# Altium PCB PCB2.PcbDoc
Units mm, origin at the board's own origin, x right, y up, seen from the top; angles counter-clockwise.
Board outline 72 x 72 mm, 2 copper layers (Top Layer, Bottom Layer), stack 0.325 mm thick; 124 components, 128 nets, 591 pads, 0 vias.
Unrouted connection lines stored in the file: 344.
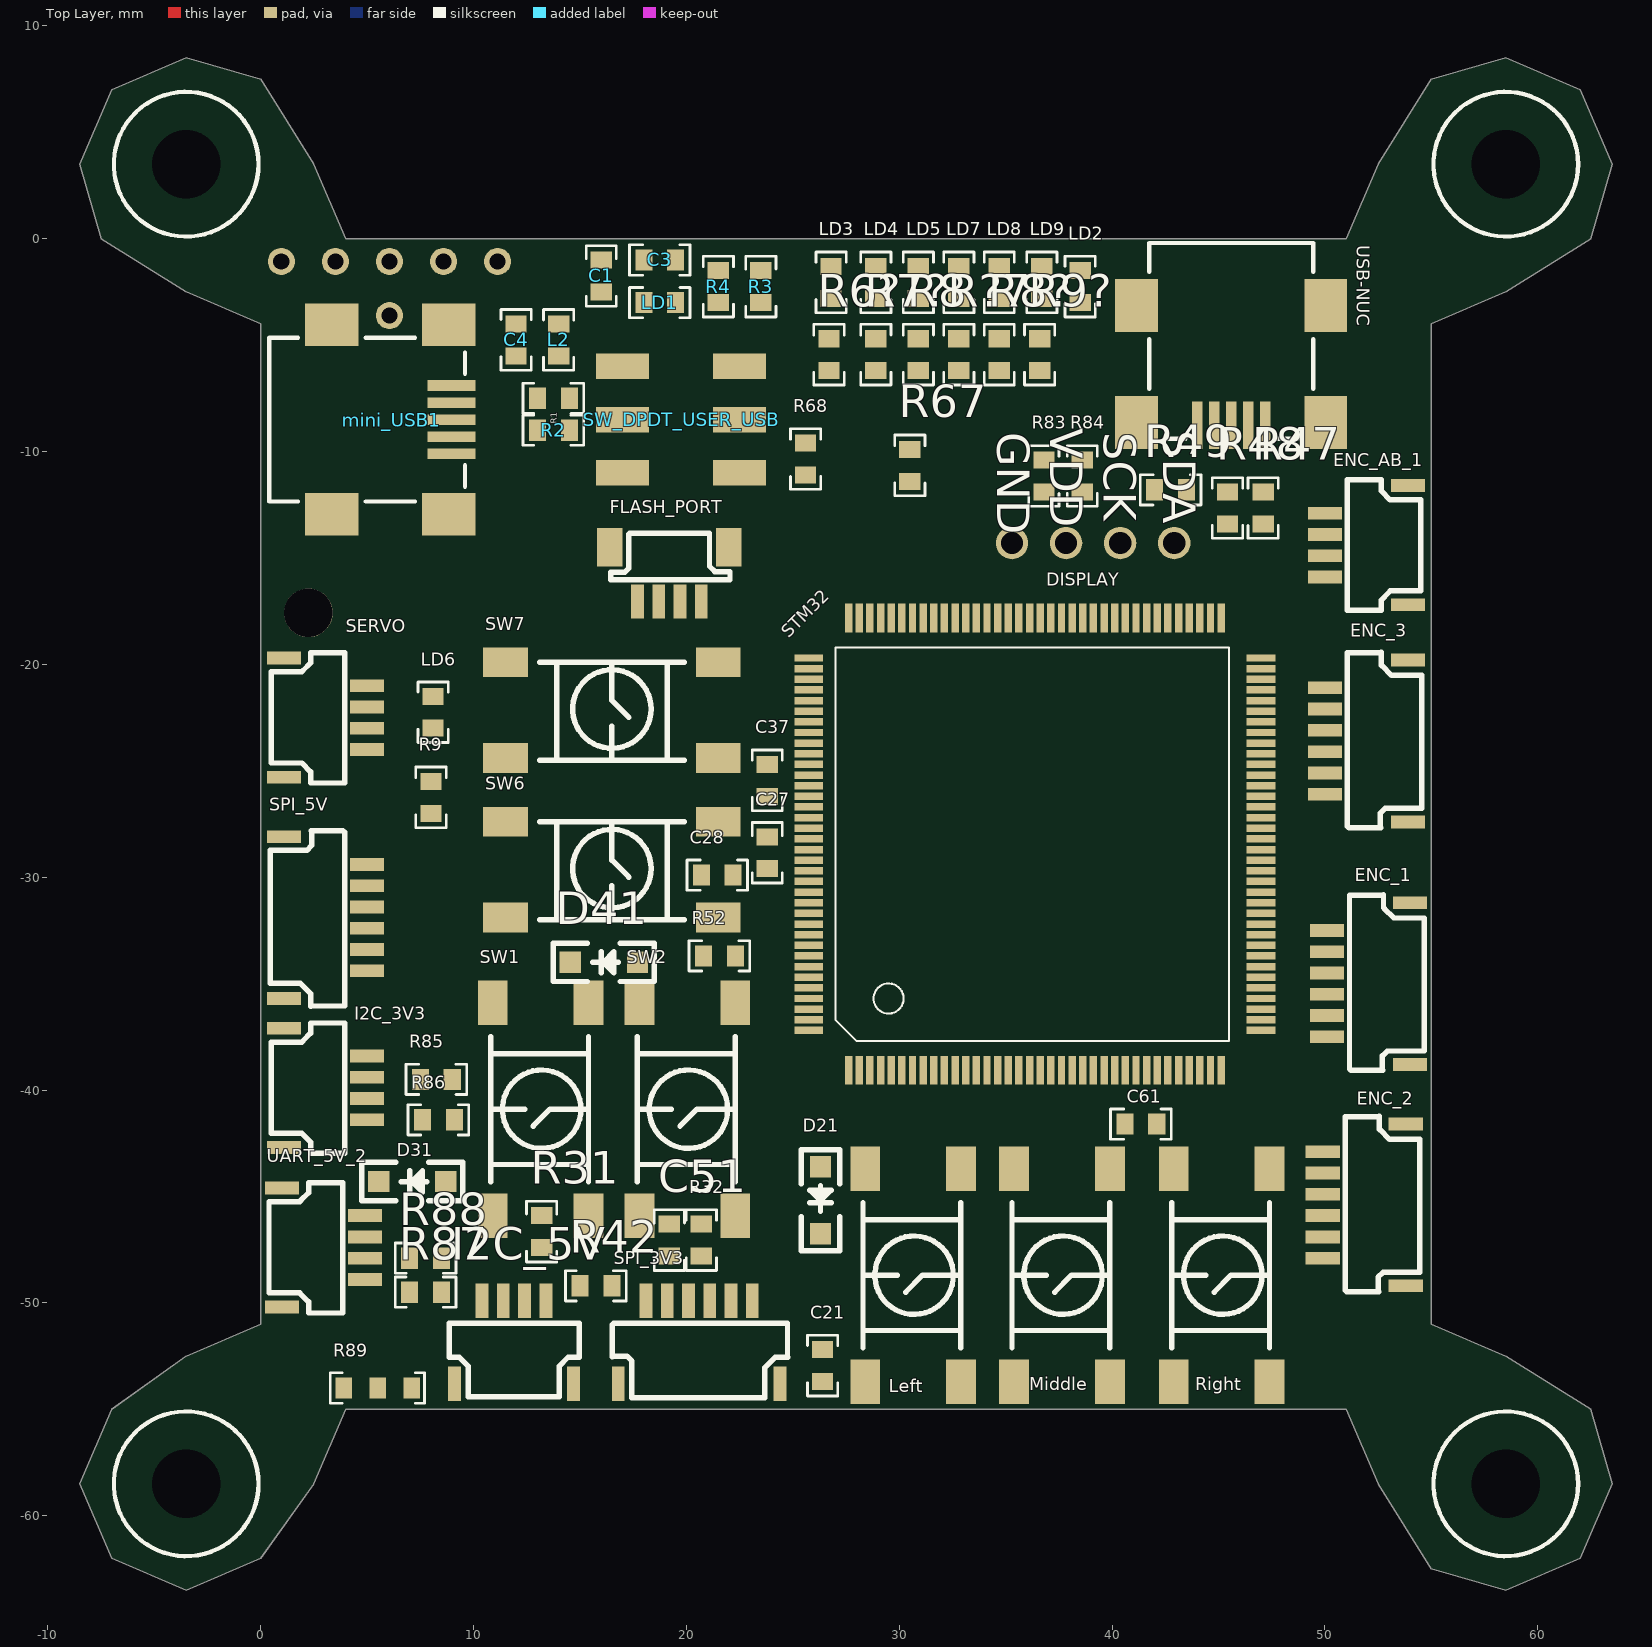
[diagram p0: Top Layer view]
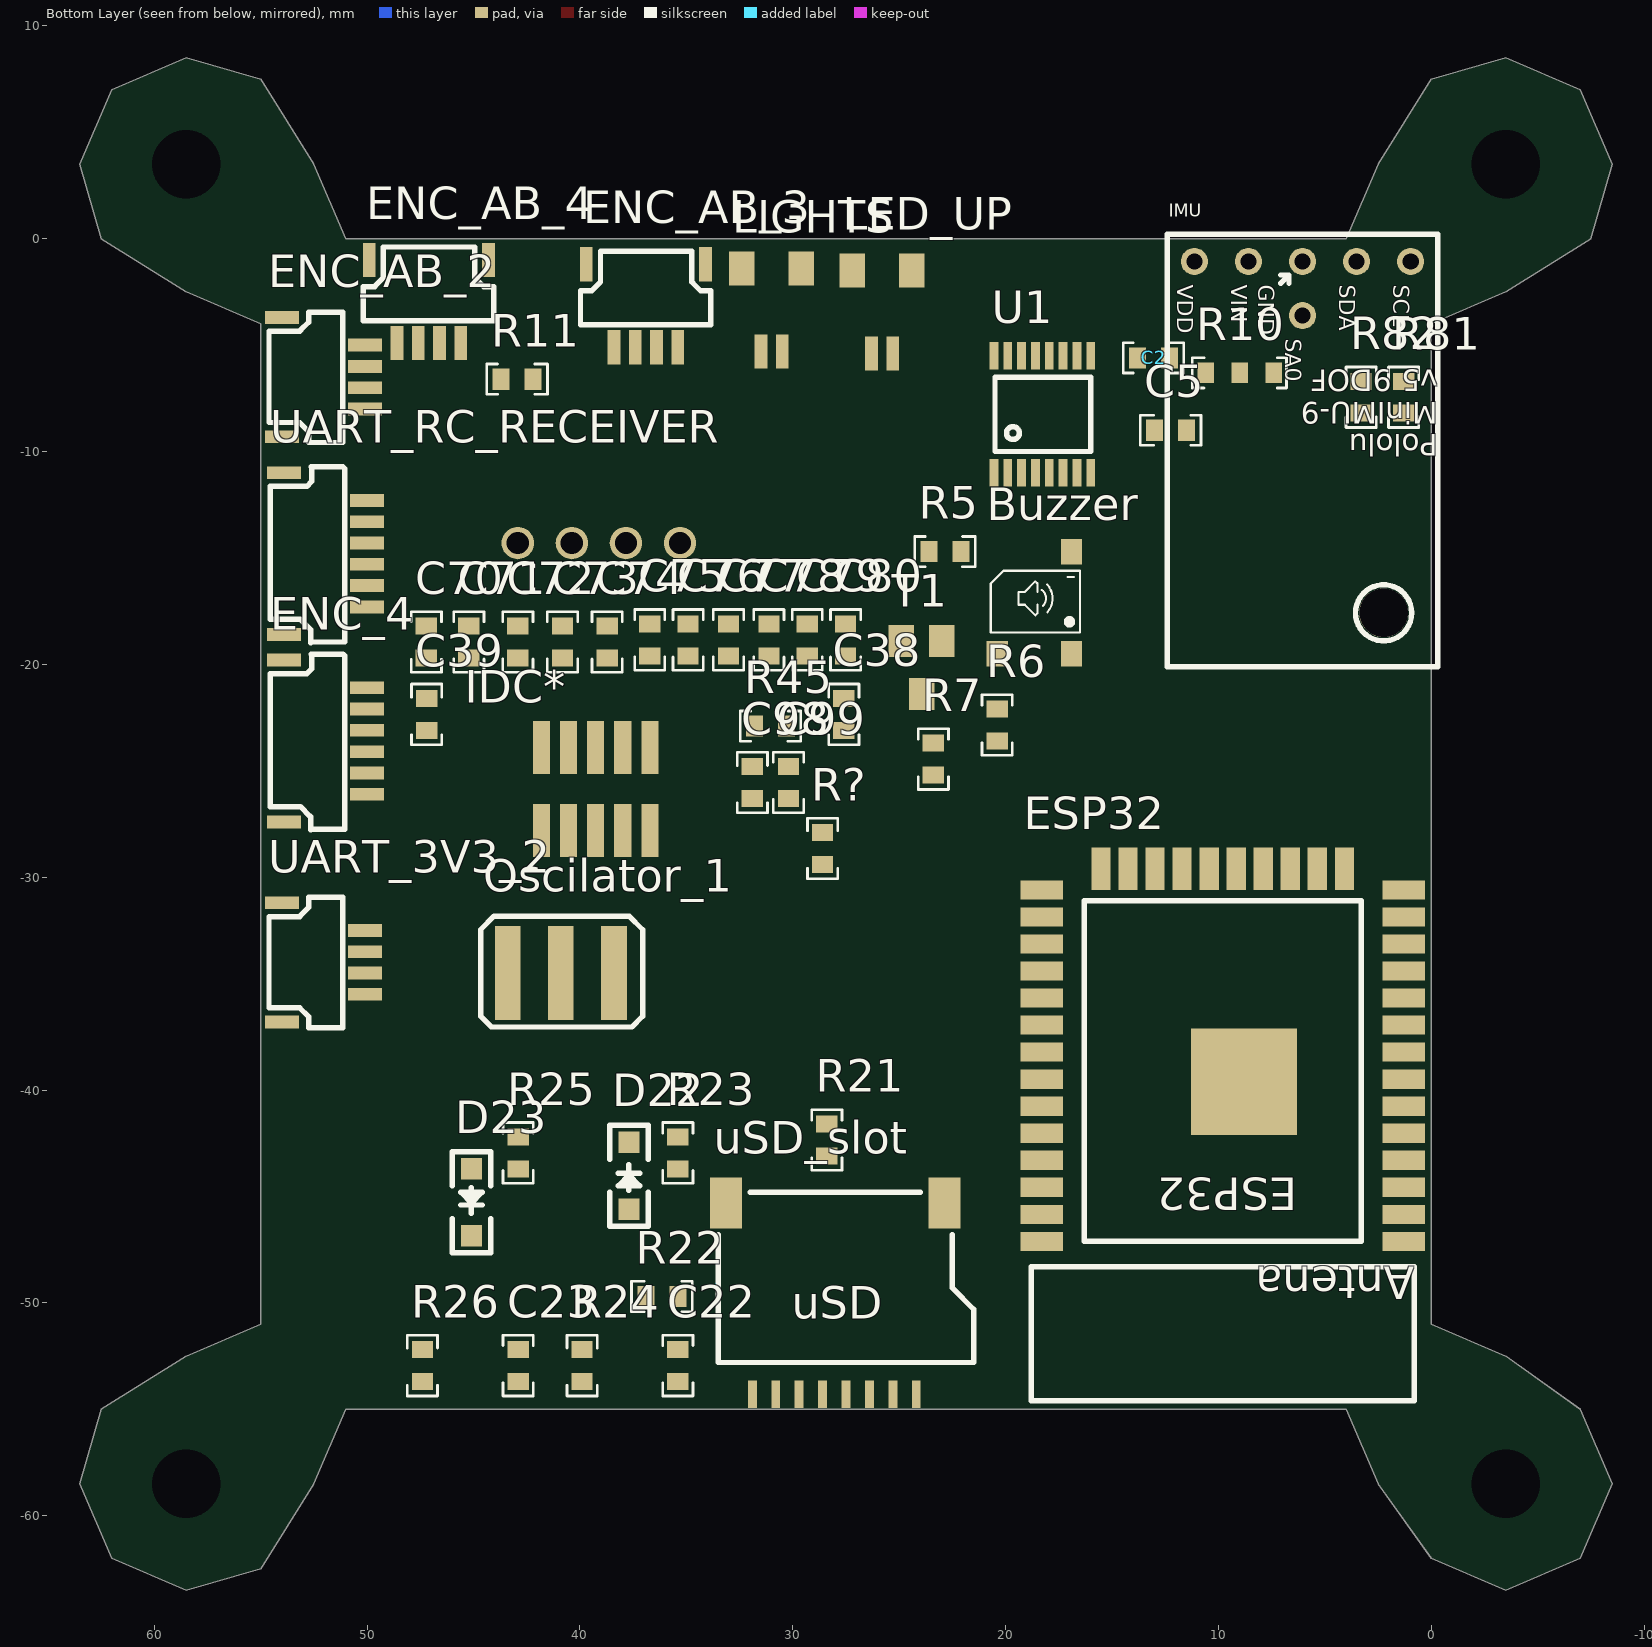
[diagram p1: Bottom Layer view, seen from below]

## Layer stack, top to bottom
Top Solder: solder mask 0.0102, Solder Resist, Dk 3.5
Top Layer: signal copper 0.0356
Dielectric 1: core 0.254, FR-4, Dk 4.2
Bottom Layer: signal copper 0.0356
Bottom Solder: solder mask 0.0102, Solder Resist, Dk 3.5

## Board outline
-7,-62 -3.5,-63.5 0,-62 2.5,-58.5 4,-55 51,-55 52.5,-58.5 55,-62.5 58.5,-63.5 62,-62 63.5,-58.5 62.5,-55 58.5,-52.5 55,-51 55,-4 58.5,-2.5 62.5,0 63.5,3.5 62,7 58.5,8.5 55,7.5 52.5,3.5 51,0 4,0 2.5,3.5 0,7.5 -3.5,8.5 -7,7 -8.5,3.5 -7.5,0 -3.5,-2.5 0,-4 0,-51 -3.5,-52.5 -7,-55 -8.5,-58.5

## Design rules (kind name [scope] priority, off if disabled: settings)
Clearance [All] p1: gap=0.152
PolygonConnect [All] p1: connectstyle=Relief reliefconductorwidth=0.254 reliefentries=4 polygonreliefangle="90 Angle" airgapwidth=0.254
RoutingVias [All] p1: holewidth=0.3 width=0.4 viastyle="Through Hole" minholewidth=0.3 minwidth=0.4 maxholewidth=0.5 maxwidth=0.6
SolderMaskExpansion [All] p1: expansion=0.102
Width [All] p1: maxlimit=0.254 minlimit=0.152 preferedwidth=0.152 minimp=50.000000 maximp=50.000000 favimp=50.000000
30 further rules are at their usual default settings.

## Components (designator, comment, footprint, x,y, rotation, side; value= is the part's Value field where it differs from the comment)
Buzzer "magnectic_buzzer" SMT-0540-S-R 16.9,-19.5 r180 bottom
C1 "0u1" 0603 16,-1 r270 top
C2 "10u" 0603 12.3,-5.6 r0 bottom
C3 "0u1" 0603 18,-1 r0 top
C4 "47p" 0603 12,-5.5 r90 top
C5 "47p" 0603 13,-9 r180 bottom
C21 "100n" 0603 26.4,-53.7 r90 top
C22 "100n" 0603 35.4,-53.7 r90 bottom
C23 "100n" 0603 42.9,-53.7 r90 bottom
C27 "0.1uF" 0603 23.8,-28.1 r270 top
C28 "0.1uF" 0603 20.7,-29.9 r0 top
C37 "0.1uF" 0603 23.8,-26.2 r90 top
C38 "22uF" 0603 27.6,-21.6 r270 bottom
C39 "0.1uF" 0603 47.2,-21.6 r270 bottom
C51 "100n" 0603 19.2,-46.3 r270 top
C61 "100n" 0603 40.6,-41.6 r0 top
C70 "4u7" 0603 47.221,-19.7 r90 bottom
C71 "100n" 0603 45.221,-19.7 r90 bottom
C72 "100n" 0603 42.921,-19.7 r90 bottom
C73 "100n" 0603 40.821,-19.7 r90 bottom
C74 "100n" 0603 38.721,-19.7 r90 bottom
C75 "100n" 0603 36.721,-19.6 r90 bottom
C76 "100n" 0603 34.921,-19.6 r90 bottom
C77 "100n" 0603 33.021,-19.6 r90 bottom
C78 "100n" 0603 31.121,-19.6 r90 bottom
C79 "100n" 0603 29.321,-19.6 r90 bottom
C80 "100n" 0603 27.521,-19.6 r90 bottom
C98 "C2u2-ESRmax2" 0603 31.9,-24.8 r270 bottom
C99 "C2u2-ESRmax2" 0603 30.2,-26.3 r90 bottom
D21 "diode" SOD123 26.3,-43.6 r270 top
D22 "diode" SOD123 37.7,-45.6 r90 bottom
D23 "diode" SOD123 45.1,-43.7 r270 bottom
D31 "diode" SOD123 8.7,-44.3 r180 top
D41 "diode" SOD123 17.7,-34 r180 top
DISPLAY "SSD1306" SSD1306 35.3,-14.3 r0 top
ENC_1 "SPI_1" "JST SR SH 1.0 - 6PIN" 54,-38.8 r90 top
ENC_2 "SPI_2" "JST SR SH 1.0 - 6PIN" 53.8,-49.2 r90 top
ENC_3 "SPI_3" "JST SR SH 1.0 - 6PIN" 53.9,-27.4 r90 top
ENC_4 "SPI_4" "JST SR SH 1.0 - 6PIN" 53.9,-19.8 r270 bottom
ENC_AB_1 "4 PIN CONNECTOR" "JST SR SH 1.0 - 4PIN" 53.9,-17.2 r90 top
ENC_AB_2 "4 PIN CONNECTOR" "JST SR SH 1.0 - 4PIN" 54,-3.7 r270 bottom
ENC_AB_3 "4 PIN CONNECTOR" "JST SR SH 1.0 - 4PIN" 34.1,-1.2 r0 bottom
ENC_AB_4 "4 PIN CONNECTOR" "JST SR SH 1.0 - 4PIN" 44.3,-1 r0 bottom
ESP32 "ESP-WROOM-32" ESP-WROOM-32 9.8,-30.6 r0 bottom
FLASH_PORT "UART_1" "JST SR SH 1.0 TOP - 4PIN" 22,-14.5 r180 top
I2C_3V3 "I2C_1" "JST SR SH 1.0 - 4PIN" 1.1,-37.1 r270 top
I2C_5V "I2C_2" "JST SR SH 1.0 - 4PIN" 9.1,-53.8 r0 top
IDC* "IDC" IDC_10_1.27 41.8,-27.8 r180 bottom
IMU "MinIMU-9 v5 9DOF" "MinIMU-9 v5 9DOF - GOLDPINS" 12.4,0.2 r0 bottom
L2 "1u" R0603 14,-5.5 r90 top
LD1 "GREEN" 0603 18,-3 r0 top
LD2 "GREEN" 0603 38.5,-3 r90 top
LD3 "BLUE_BT" 0603 26.8,-2.8 r90 top
LD4 "BLUE_WIFI" 0603 28.9,-2.8 r90 top
LD5 "BLUE_STM" 0603 30.9,-2.8 r90 top
LD6 "RED_FAULT" 0603 8.1,-23 r90 top
LD7 "BLUE_WIFI" 0603 32.8,-2.8 r90 top
LD8 "BLUE_STM" 0603 34.7,-2.8 r90 top
LD9 "RED_FAULT" 0603 36.7,-2.8 r90 top
LED_UP "2 PIN CONNECTOR" "JST SR SH 1.0 - 2pin" 24.4,-1.5 r0 bottom
Left "LEFT" "LSH Gullwing" 32.9,-43.7 r90 top (schematic designator SW3)
LIGHTS "2 PIN CONNECTOR" "JST SR SH 1.0 - 2pin" 29.6,-1.4 r0 bottom
Middle "MIDDLE" "LSH Gullwing" 39.9,-43.7 r90 top (schematic designator SW4)
mini_USB1 "651305142821" 651305142821 5,-8.5 r270 top
Oscilator_1 "CSTCC8M00G53-R0" CSTCC8M00G53-R0 43.4,-34.5 r180 bottom
R1 "27" R0603 14.5,-7.5 r180 top
R2 "27" R0603 14.5,-9 r180 top
R3 "3k3" R0603 23.5,-1.5 r270 top
R4 "220" R0603 21.5,-3 r90 top
R5 "27" R0603 22.1,-14.7 r0 bottom
R6 "1k" R0603 20.4,-23.6 r90 bottom
R6? "220" R0603 26.7,-6.2 r90 top
R7 "10k" R0603 23.4,-25.2 r90 bottom
R7? "220" R0603 28.9,-6.2 r90 top
R8 "220" R0603 30.9,-6.2 r90 top
R8? "220" R0603 34.7,-6.2 r90 top
R9 "220" R0603 8,-27 r90 top
R9? "220" R0603 36.6,-6.2 r90 top
R10 "10k" "R0603 - double" 9,-6.3 r180 bottom
R11 "220" R0603 42.2,-6.6 r0 bottom
R21 "10k" R0603 28.4,-43.1 r90 bottom
R22 "330" R0603 36.9,-49.7 r180 bottom
R23 "10k" R0603 35.4,-43.7 r90 bottom
R24 "330" R0603 39.9,-52.2 r270 bottom
R25 "10k" R0603 42.9,-43.7 r90 bottom
R26 "330" R0603 47.4,-52.2 r270 bottom
R31 "10k" R0603 13.2,-45.9 r270 top
R32 "10k" R0603 20.7,-47.8 r90 top
R42 "330" R0603 16.5,-49.2 r180 top
R45 "0" R0603 30.3,-22.9 r0 bottom
R47 "22" R0603 47.1,-13.4 r90 top
R48 "22" R0603 45.425,-13.4 r90 top
R49 "1.5k" R0603 42,-11.8 r0 top
R52 "330" R0603 20.8,-33.7 r0 top
R67 "1K" R0603 30.5,-11.4 r90 top
R68 "270" R0603 25.6,-11.1 r90 top
R81 "2k7" R0603 1.3,-6.7 r270 bottom
R82 "2k7" R0603 3.3,-6.7 r270 bottom
R83 "2k7" R0603 36.8,-11.9 r90 top
R84 "2k7" R0603 38.6,-11.9 r90 top
R85 "2k7" R0603 7.5,-39.5 r0 top
R86 "2k7" R0603 7.6,-41.4 r0 top
R87 "2k7" R0603 8.5,-49.5 r180 top
R88 "2k7" R0603 8.5,-47.9 r180 top
R89 "0" "R0603 - double" 5.5,-54 r0 top
R? "10k" R0603 28.6,-27.9 r270 bottom
R?7 "220" R0603 32.8,-6.2 r90 top
Right "RIGHT" "LSH Gullwing" 47.4,-43.7 r90 top (schematic designator SW5)
SERVO "TIMERS" "JST SR SH 1.0 - 4PIN" 1.1,-19.7 r270 top
SPI_3V3 "SPI_5" "JST SR SH 1.0 - 6PIN" 16.8,-53.8 r0 top
SPI_5V "SPI_6" "JST SR SH 1.0 - 6PIN" 1.1,-28.1 r270 top
STM32 "STM32F765ZIT6" LQFP144 47,-37.2 r0 top
SW1 "RESET" "LSH Gullwing" 15.4,-35.9 r90 top
SW2 "BOOT" "LSH Gullwing" 22.3,-35.9 r90 top
SW6 "RESET" "LSH Gullwing" 11.5,-27.396 r180 top
SW7 "BOOT" "LSH Gullwing" 11.5,-19.896 r180 top
SW_DPDT_USER_USB "DPDT_C&K" JS202011SCQN_C&K 22.5,-6 r270 top
T1 "NPN" SOT23 23,-18.9 r0 bottom
U1 "FT230XS" SSOP16 16,-5.5 r180 bottom
UART_3V3_2 "UART_4PIN" "JST SR SH 1.0 - 4PIN" 54,-31.2 r270 bottom
UART_5V_2 "UART_4PIN" "JST SR SH 1.0 - 4PIN" 1,-44.6 r270 top
UART_RC_RECEIVER "UART_X" "JST SR SH 1.0 - 6PIN" 53.9,-11 r270 bottom
USB-NUC "651305142821" 651305142821 45.6,-4.8 r180 top (schematic designator mini_USB2)
uSD_slot "ATTEND 112K-TAA0-RA1" "ATTEND 112K-TAA0-RA1" 33.5,-45.3 r180 bottom

## Footprints (in the part's own frame and the unit in brackets; to place one, negate y for a bottom-side part, rotate by r counter-clockwise, add the part's x,y. Pads: shape width x height; smd on the part's side, far side on the other; paste and mask are expansions set on the pad)
0603 [mm]
  rect 0.8x1 smd: 1(0,0) 2(1.5,0)
  silkscreen extent -0.67,-0.71 2.17,0.71, body extent -0.01,-0.43 1.59,0.43, height 0.83
651305142821 [mm] "Mini USB 2.0 Type AB SMT Horizontal 5 Contacts"
  rect 0.5x2.25 smd: 1(-1.6,3.965) 2(-0.8,3.965) 3(0,3.965) 4(0.8,3.965) 5(1.6,3.965)
  rect 2x2.5 smd: Shell(-4.45,3.84) Shell(-4.45,-1.66) Shell(4.45,3.84) Shell(4.45,-1.66)
  silkscreen extent -3.85,-4.6 3.85,4.6, body extent -4.95,-4.6 4.95,4.8, height 4.1
"ATTEND 112K-TAA0-RA1" [mm]
  rect 0.42x1.3 smd: 1(9.3,-9) 2(8.2,-9) 3(7.1,-9) 4(6,-9) 5(4.9,-9) 6(3.8,-9) 7(2.7,-9) 8(1.6,-9)
  rect 1.5x2.4 smd: ""(0.37,0) ""(10.63,0)
  silkscreen extent 0,-7.5 12,0.5, body extent 0,-8.96 12.1,1, height 1.49
CSTCC8M00G53-R0 [mm]
  rect 1.2x4.4 smd: 1(0,0) 2(2.5,0) 3(5,0)
  silkscreen extent -1.27,-2.54 6.35,2.67, body extent -1.06,-1.52 6.14,1.48, height 1.25
ESP-WROOM-32 [mm]
  rect 2x0.9 smd: 1(-8.5,16.51) 2(-8.5,15.24) 3(-8.5,13.97) 4(-8.5,12.7) 5(-8.5,11.43) 6(-8.5,10.16) 7(-8.5,8.89) 8(-8.5,7.62) 9(-8.5,6.35) 10(-8.5,5.08) 11(-8.5,3.81) 12(-8.5,2.54) 13(-8.5,1.27) 14(-8.5,0) 25(8.5,0) 26(8.5,1.27) 27(8.5,2.54) 28(8.5,3.81) 29(8.5,5.08) 30(8.5,6.35) 31(8.5,7.62) 32(8.5,8.89) 33(8.5,10.16) 34(8.5,11.43) 35(8.5,12.7) 36(8.5,13.97) 37(8.5,15.24) 38(8.5,16.51)
  rect 0.9x2 smd: 15(-5.715,-1) 16(-4.445,-1) 17(-3.175,-1) 18(-1.905,-1) 19(-0.635,-1) 20(0.635,-1) 21(1.905,-1) 22(3.175,-1) 23(4.445,-1) 24(5.715,-1)
  rect 5x5 smd: ""(-1,9.01)
  silkscreen extent -9,0.51 9,24, body extent -9,-1.5 9,24, height 2.91
IDC_10_1.27 [mm]
  rect 0.8x2.5 smd: 1(0,0) 2(1.27,0) 3(2.54,0) 4(3.81,0) 5(5.08,0) 6(0,3.9) 7(1.27,3.9) 8(2.54,3.9) 9(3.81,3.9) 10(5.08,3.9)
  body extent -3.85,-0.84 8.75,4.83, height 5.65
JS202011SCQN_C&K [mm]
  rect 1.2x2.5 smd: 1(0,-5.5) 2(2.5,-5.5) 3(5,-5.5) 4(0,0) 5(2.5,0) 6(5,0)
  body extent -2,-6.55 7,0.95, height 5.52
"JST SR SH 1.0 - 2pin" [mm]
  rect 1.2x1.6 smd: 0(0,0) 0(2.8,0)
  rect 0.6x1.6 smd: 1(0.9,3.9) 2(1.9,3.9)
  body extent -0.59,-0.87 3.4,4.12, height 3
"JST SR SH 1.0 - 4PIN" [mm]
  rect 0.6x1.6 smd: 1(1.3,3.9) 2(2.3,3.9) 3(3.3,3.9) 4(4.3,3.9) 7(5.6,0) 8(0,0)
  silkscreen extent -0.25,-0.61 5.88,2.85, body extent -0.22,-0.75 5.77,4.2, height 2.96
"JST SR SH 1.0 - 6PIN" [mm]
  rect 0.6x1.6 smd: 1(1.3,3.9) 2(2.3,3.9) 3(3.3,3.9) 4(4.3,3.9) 5(5.3,3.9) 6(6.3,3.9) 7(7.6,0) 8(0,0)
  silkscreen extent -0.28,-0.66 7.98,2.84, body extent -0.16,-0.66 7.84,4.29, height 2.9
"JST SR SH 1.0 TOP - 4PIN" [mm]
  rect 0.6x1.6 smd: 1(1.3,2.55) 2(2.3,2.55) 3(3.3,2.55) 4(4.3,2.55)
  rect 1.2x1.8 smd: 7(5.6,0) 8(0,0)
  silkscreen extent -0.05,-0.66 5.55,1.52, body extent -0.22,-0.88 5.77,2.72, height 4.35
LQFP144 [mm]
  rect 0.35x1.35 smd: 1(-19.375,-1.875) 2(-18.875,-1.875) 3(-18.375,-1.875) 4(-17.875,-1.875) 5(-17.375,-1.875) 6(-16.875,-1.875) 7(-16.375,-1.875) 8(-15.875,-1.875) 9(-15.375,-1.875) 10(-14.875,-1.875) 11(-14.375,-1.875) 12(-13.875,-1.875) 13(-13.375,-1.875) 14(-12.875,-1.875) 15(-12.375,-1.875) 16(-11.875,-1.875) 17(-11.375,-1.875) 18(-10.875,-1.875) 19(-10.375,-1.875) 20(-9.875,-1.875) 21(-9.375,-1.875) 22(-8.875,-1.875) 23(-8.375,-1.875) 24(-7.875,-1.875) 25(-7.375,-1.875) 26(-6.875,-1.875) 27(-6.375,-1.875) 28(-5.875,-1.875) 29(-5.375,-1.875) 30(-4.875,-1.875) 31(-4.375,-1.875) 32(-3.875,-1.875) 33(-3.375,-1.875) 34(-2.875,-1.875) 35(-2.375,-1.875) 36(-1.875,-1.875) 73(-1.875,19.375) 74(-2.375,19.375) 75(-2.875,19.375) 76(-3.375,19.375) 77(-3.875,19.375) 78(-4.375,19.375) 79(-4.875,19.375) 80(-5.375,19.375) 81(-5.875,19.375) 82(-6.375,19.375) 83(-6.875,19.375) 84(-7.375,19.375) 85(-7.875,19.375) 86(-8.375,19.375) 87(-8.875,19.375) 88(-9.375,19.375) 89(-9.875,19.375) 90(-10.375,19.375) 91(-10.875,19.375) 92(-11.375,19.375) 93(-11.875,19.375) 94(-12.375,19.375) 95(-12.875,19.375) 96(-13.375,19.375) 97(-13.875,19.375) 98(-14.375,19.375) 99(-14.875,19.375) 100(-15.375,19.375) 101(-15.875,19.375) 102(-16.375,19.375) 103(-16.875,19.375) 104(-17.375,19.375) 105(-17.875,19.375) 106(-18.375,19.375) 107(-18.875,19.375) 108(-19.375,19.375)
  rect 1.35x0.35 smd: 37(0,0) 38(0,0.5) 39(0,1) 40(0,1.5) 41(0,2) 42(0,2.5) 43(0,3) 44(0,3.5) 45(0,4) 46(0,4.5) 47(0,5) 48(0,5.5) 49(0,6) 50(0,6.5) 51(0,7) 52(0,7.5) 53(0,8) 54(0,8.5) 55(0,9) 56(0,9.5) 57(0,10) 58(0,10.5) 59(0,11) 60(0,11.5) 61(0,12) 62(0,12.5) 63(0,13) 64(0,13.5) 65(0,14) 66(0,14.5) 67(0,15) 68(0,15.5) 69(0,16) 70(0,16.5) 71(0,17) 72(0,17.5) 109(-21.25,17.5) 110(-21.25,17) 111(-21.25,16.5) 112(-21.25,16) 113(-21.25,15.5) 114(-21.25,15) 115(-21.25,14.5) 116(-21.25,14) 117(-21.25,13.5) 118(-21.25,13) 119(-21.25,12.5) 120(-21.25,12) 121(-21.25,11.5) 122(-21.25,11) 123(-21.25,10.5) 124(-21.25,10) 125(-21.25,9.5) 126(-21.25,9) 127(-21.25,8.5) 128(-21.25,8) 129(-21.25,7.5) 130(-21.25,7) 131(-21.25,6.5) 132(-21.25,6) 133(-21.25,5.5) 134(-21.25,5) 135(-21.25,4.5) 136(-21.25,4) 137(-21.25,3.5) 138(-21.25,3) 139(-21.25,2.5) 140(-21.25,2) 141(-21.25,1.5) 142(-21.25,1) 143(-21.25,0.5) 144(-21.25,0)
  silkscreen extent -20,-0.5 -1.5,18, body extent -21.62,-2.25 0.38,19.75, height 2
"LSH Gullwing" [mm]
  rect 2.1x1.4 smd: 1(-10,4.5) 2(0,4.5) 3(-10,0) 4(0,0)
  silkscreen extent -8.4,0 -1.6,4.6, body extent -10,-0.75 0,5.25, height 4.97
"MinIMU-9 v5 9DOF - GOLDPINS" [mil]
  round 50 hole 30: 1(-450,50) 2(-350,50) 3(-250,50) 4(-150,50) 5(-50,50) 6(-250,150)
  round 90 hole 90: 7(-400,700)
  silkscreen extent -500,0 0,800, body extent -500,0 0,800, height 336
R0603 [mm]
  rect 0.8x1 smd: 1(0,0) 2(1.5,0)
  silkscreen extent -0.67,-0.71 2.17,0.71, body extent -0.04,-0.43 1.56,0.43, height 0.48
"R0603 - double" [mil]
  rect 31x38 smd: 1(-63,0) 2(0,0) 3(62.99,0)
  silkscreen extent -88,-28 87,28, body extent -64,-17 67,17, height 19
SMT-0540-S-R [mm]
  rect 1x1.2 smd: 1(0,4.8) 2(0,0) ""(-3.5,0)
  silkscreen extent -3.8,1 0.4,3.9, body extent -4.25,-0.4 0.75,5.1, height 2.11
SOD123 [mm]
  rect 1x1 smd: 1(0,0) 2(3.15,0)
  silkscreen extent -0.8,-0.9 3.95,0.9, body extent -0.15,-0.8 3.55,0.8, height 1.27
SOT23 [mm]
  rect 1.2x1.5 smd: 1(0,0) 2(1.9,0) 3(0.95,2.5)
  body extent -0.48,0.02 2.52,2.52, height 1.06
SSD1306 [mil]
  round 60 hole 41.34: 1(0,0) 2(100,0) 3(200,0) 4(300,0)
  body extent -376,-1006 675,91, height 373
SSOP16 [mm]
  rect 0.42x1.3 smd: 1(-4.55,-5.5) 2(-3.9,-5.5) 3(-3.25,-5.5) 4(-2.6,-5.5) 5(-1.95,-5.5) 6(-1.3,-5.5) 7(-0.65,-5.5) 8(0,-5.5) 9(0,0) 10(-0.65,0) 11(-1.3,0) 12(-1.95,0) 13(-2.6,0) 14(-3.25,0) 15(-3.9,0) 16(-4.55,0)
  silkscreen extent -4.5,-4.5 0,-1, body extent -4.91,-6 0.39,0.46, height 1.65

## Part data
C1 C2 C3 C4 C5 C21 C22 C23 C27 C28 C37 C38 C39 C51 C61 C70 C71 C72 C73 C74 C75 C76 C77 C78 C79 C80 C98 C99: library part Cap
D21 D22 D23 D31 D41: library part Rectifier_diode
ENC_1 ENC_2 ENC_3 ENC_4 SPI_3V3 SPI_5V: library part SPI
FLASH_PORT: library part UART_4PIN
I2C_3V3 I2C_5V: library part I2C
L2: library part L
LD1 LD2 LD3 LD4 LD5 LD6 LD7 LD8 LD9: library part LED
Left Middle Right SW1 SW2 SW6 SW7: library part Tact_Switch_Simply
mini_USB1 USB-NUC: "Mini USB 2.0 Type AB Receptacle WR-COM, Horizontal, SMT, with Pads"
R1 R2 R3 R4 R5 R6 R6? R7 R7? R8 R8? R9 R9? R11 R21 R22 R23 R24 R25 R26 R31 R32 R42 R45 R47 R48 R49 R52 R67 R68 R81 R82 R83 R84 R85 R86 R87 R88 R? R?7: library part Res
R10 R89: library part Res_2_way
SERVO: library part "4 PIN CONNECTOR"
U1: library part FT230XS_ON_BOARD
UART_RC_RECEIVER: library part UART

## Free pads (board coordinates)
  round 0 hole 3.2: ""(-3.5,-58.5) ""(-3.5,3.5) ""(58.5,-58.5) ""(58.5,3.5)

## Nets (pads, with @x,y where several pads share a name; then routed paths per layer and width w, separated by ;. In a path a pad name is that pad's centre, name@x,y a point inside that pad or via, vN(x,y) a via of type N, cw(c..) or ccw(c..) an arc to the next point about the centre after c; other vN are vias at no path point)
GND: C1.1 C2.1 C3.2 C4.2 C5.2 C21.2 C22.2 C23.2 C27.2 C28.2 C37.2 C38.1 C39.1 C61.2 C70.1 C71.1 C72.1 C73.1 C74.1 C75.1 C76.1 C77.1 C78.1 C79.1 C80.1 C98.2 C99.1 DISPLAY.1 ENC_1.2 ENC_2.2 ENC_3.2 ENC_4.2 ENC_AB_1.2 ENC_AB_2.2 ENC_AB_3.2 ENC_AB_4.2 ESP32.1 ESP32.15 ESP32.38 FLASH_PORT.4 I2C_3V3.2 I2C_5V.2 IDC*.2 IDC*.4 IDC*.6 IDC*.9 IMU.3 LD3.2 LD4.2 LD5.2 LD6.2 LD7.2 LD8.2 LD9.2 LED_UP.2 LIGHTS.2 mini_USB1.4 mini_USB1.5 Oscilator_1.2 R3.2 R7.1 R10.3 R11.2 R22.1 R24.1 R26.1 R32.1 R42.1 SPI_3V3.2 SPI_5V.2 STM32.16 STM32.31 STM32.38 STM32.51 STM32.61 STM32.83 STM32.94 STM32.107 STM32.120 STM32.130 SW6.1 SW6.2 SW7.1 SW7.2 T1.3 U1.5 U1.13 UART_3V3_2.4 UART_5V_2.4 UART_RC_RECEIVER.5 UART_RC_RECEIVER.6 USB-NUC.5 USB-NUC.Shell uSD_slot.6
NetBuzzer_1: Buzzer.1 R5.1
NetC1_2: C1.2 L2.1 mini_USB1.1
NetC2_2: C2.2 L2.2 U1.12
NetC3_1: C3.1 LD1.1 U1.3 U1.10 U1.11
NetC4_1: C4.1 mini_USB1.2 R1.2
NetC5_1: C5.1 mini_USB1.3 R2.2
NetC21_1: C21.1 D21.1 Left.1 Left.2 R21.1
NetC22_1: C22.1 D22.1 Middle.1 Middle.2 R23.1
NetC23_1: C23.1 D23.1 R25.1 Right.1 Right.2
NetC27_1: C27.1 C37.1 ESP32.3 R?.1 SW6.3 SW6.4
NetC28_1: C28.1 ESP32.25 SW7.3 SW7.4
NetC51_1: C51.1 D41.1 ESP32.33 R32.2 STM32.138 SW2.1 SW2.2
NetC61_1: C61.1 D31.1 ESP32.36 R31.1 STM32.25 SW1.1 SW1.2
NetC98_1: C98.1 R45.2 STM32.71
NetC99_2: C99.2 R45.1 STM32.106
NetDISPLAY_3: DISPLAY.3 R83.1 STM32.54
NetDISPLAY_4: DISPLAY.4 R84.1 STM32.55
NetENC_1_3: ENC_1.3 STM32.43
NetENC_1_4: ENC_1.4 STM32.124
NetENC_1_5: ENC_1.5 STM32.41
NetENC_1_6: ENC_1.6 STM32.44
NetENC_2_3: ENC_2.3 STM32.27
NetENC_2_4: ENC_2.4 STM32.28
NetENC_2_5: ENC_2.5 STM32.69
NetENC_2_6: ENC_2.6 STM32.29
NetENC_3_3: ENC_3.3 STM32.48
NetENC_3_4: ENC_3.4 STM32.112
NetENC_3_5: ENC_3.5 STM32.111
NetENC_3_6: ENC_3.6 STM32.47
NetENC_4_3: ENC_4.3 STM32.67
NetENC_4_4: ENC_4.4 STM32.66
NetENC_4_5: ENC_4.5 STM32.1
NetENC_4_6: ENC_4.6 STM32.68
NetENC_AB_1_3: ENC_AB_1.3 STM32.60
NetENC_AB_1_4: ENC_AB_1.4 STM32.64
NetENC_AB_2_3: ENC_AB_2.3 STM32.110
NetENC_AB_2_4: ENC_AB_2.4 STM32.35
NetENC_AB_3_3: ENC_AB_3.3 STM32.96
NetENC_AB_3_4: ENC_AB_3.4 STM32.135
NetENC_AB_4_3: ENC_AB_4.3 STM32.81
NetENC_AB_4_4: ENC_AB_4.4 STM32.82
NetESP32_6: ESP32.6 R6?.1
NetESP32_7: ESP32.7 R7?.1
NetESP32_8: ESP32.8 R8.1
NetESP32_9: ESP32.9 R9.1
NetESP32_24: ESP32.24
NetESP32_26: ESP32.26
NetESP32_27: ESP32.27 STM32.115
NetESP32_28: ESP32.28 STM32.114
NetESP32_29: ESP32.29 STM32.127 uSD_slot.2
NetESP32_30: ESP32.30 STM32.122 uSD_slot.5
NetESP32_31: ESP32.31 STM32.75 uSD_slot.7
NetESP32_34: ESP32.34 SW_DPDT_USER_USB.6
NetESP32_35: ESP32.35 SW_DPDT_USER_USB.3
NetESP32_37: ESP32.37 STM32.123 uSD_slot.3
NetFLASH_PORT_2: FLASH_PORT.2 SW_DPDT_USER_USB.5 U1.1
NetFLASH_PORT_3: FLASH_PORT.3 SW_DPDT_USER_USB.2 U1.4
NetI2C_3V3_3: I2C_3V3.3 R85.1 STM32.136
NetI2C_3V3_4: I2C_3V3.4 R86.1 STM32.137
NetI2C_5V_3: I2C_5V.3 R88.1 STM32.11
NetI2C_5V_4: I2C_5V.4 R87.1 STM32.10
NetIDC*_1: IDC*.1 STM32.36
NetIDC*_3: IDC*.3 STM32.37
NetIDC*_8: IDC*.8
NetIDC*_10: IDC*.10
NetIMU_1: IMU.1 R81.1 STM32.100
NetIMU_2: IMU.2 R82.1 STM32.99
NetIMU_5: IMU.5 R10.1
NetIMU_6: IMU.6 R10.2
NetLD1_2: LD1.2 R4.1
NetLD2_2: LD2.2 R11.1
NetLD3_1: LD3.1 R6?.2
NetLD4_1: LD4.1 R7?.2
NetLD5_1: LD5.1 R8.2
NetLD6_1: LD6.1 R9.2
NetLD7_1: LD7.1 R?7.2
NetLD8_1: LD8.1 R8?.2
NetLD9_1: LD9.1 R9?.2
NetLED_UP_1: LED_UP.1 R68.2
NetLIGHTS_1: LIGHTS.1 R67.2
Netmini_USB2_2: R47.2 USB-NUC.2
Netmini_USB2_3: R48.2 USB-NUC.3
NetOscilator_1_1: Oscilator_1.1 STM32.24
NetOscilator_1_3: Oscilator_1.3 STM32.23
NetR1_1: R1.1 U1.9
NetR2_1: R2.1 U1.8
NetR3_1: R3.1 R4.2 U1.15
NetR5_2: R5.2 T1.2
NetR6_1: R6.1 STM32.76
NetR6_2: R6.2 R7.2 T1.1
NetR8?_1: R8?.1 STM32.92
NetR9?_1: R9?.1 STM32.91
NetR22_2: Left.3 Left.4 R22.2
NetR24_2: Middle.3 Middle.4 R24.2
NetR26_2: R26.2 Right.3 Right.4
NetR42_2: R42.2 SW1.3 SW1.4
NetR47_1: R47.1 STM32.103
NetR48_1: R48.1 R49.2 STM32.104
NetR52_2: R52.2 SW2.3 SW2.4
NetR67_1: R67.1 STM32.34
NetR68_1: R68.1 STM32.18
NetR87_2: R87.2 R88.2 R89.2
NetR?7_1: R?7.1 STM32.93
NetSERVO_1: SERVO.1 STM32.97
NetSERVO_2: SERVO.2 STM32.98
NetSERVO_3: SERVO.3 STM32.4
NetSERVO_4: SERVO.4 STM32.5
NetSPI_3V3_3: SPI_3V3.3 STM32.21
NetSPI_3V3_4: SPI_3V3.4 STM32.20
NetSPI_3V3_5: SPI_3V3.5 STM32.19
NetSPI_3V3_6: SPI_3V3.6 STM32.22
NetSPI_5V_3: SPI_5V.3 STM32.129
NetSPI_5V_4: SPI_5V.4 STM32.42
NetSPI_5V_5: SPI_5V.5 STM32.128
NetSPI_5V_6: SPI_5V.6 STM32.132
NetSTM32_58: STM32.58 UART_3V3_2.3
NetSTM32_59: STM32.59 UART_3V3_2.2
NetSTM32_70: STM32.70 UART_RC_RECEIVER.4
NetSTM32_77: STM32.77 UART_RC_RECEIVER.3
NetSTM32_101: STM32.101 SW_DPDT_USER_USB.4
NetSTM32_102: STM32.102 SW_DPDT_USER_USB.1
NetSTM32_125: STM32.125 uSD_slot.8
NetSTM32_126: STM32.126 uSD_slot.1
NetSTM32_141: STM32.141 UART_5V_2.3
NetSTM32_142: STM32.142 UART_5V_2.2
VCC_3V3: Buzzer.2 C38.2 C39.2 C51.2 C70.2 C71.2 C72.2 C73.2 C74.2 C75.2 C76.2 C77.2 C78.2 C79.2 C80.2 D21.2 D22.2 D23.2 D31.2 D41.2 ENC_1.1 ENC_2.1 ENC_3.1 ENC_4.1 ESP32.2 I2C_3V3.1 IDC*.5 LD2.1 R21.2 R23.2 R25.2 R31.2 R49.1 R52.1 R81.2 R82.2 R83.2 R84.2 R85.2 R86.2 R89.1 R?.2 SPI_3V3.1 STM32.17 STM32.30 STM32.33 STM32.39 STM32.52 STM32.62 STM32.72 STM32.84 STM32.95 STM32.108 STM32.121 STM32.131 STM32.144 UART_3V3_2.1 UART_RC_RECEIVER.2 uSD_slot.4
VCC_5V: DISPLAY.2 ENC_AB_1.1 ENC_AB_2.1 ENC_AB_3.1 ENC_AB_4.1 FLASH_PORT.1 I2C_5V.1 IDC*.7 IMU.4 R89.3 SPI_5V.1 UART_5V_2.1 UART_RC_RECEIVER.1
pads on no net: Buzzer. ENC_1.7 ENC_1.8 ENC_2.7 ENC_2.8 ENC_3.7 ENC_3.8 ENC_4.7 ENC_4.8 ENC_AB_1.7 ENC_AB_1.8 ENC_AB_2.7 ENC_AB_2.8 ENC_AB_3.7 ENC_AB_3.8 ENC_AB_4.7 ENC_AB_4.8 ESP32. ESP32.4 ESP32.5 ESP32.10 ESP32.11 ESP32.12 ESP32.13 ESP32.14 ESP32.16 ESP32.17 ESP32.18 ESP32.19 ESP32.20 ESP32.21 ESP32.22 ESP32.23 ESP32.32 FLASH_PORT.7 FLASH_PORT.8 I2C_3V3.7 I2C_3V3.8 I2C_5V.7 I2C_5V.8 IMU.7 LED_UP.0 LIGHTS.0 mini_USB1.Shell SERVO.7 SERVO.8 SPI_3V3.7 SPI_3V3.8 SPI_5V.7 SPI_5V.8 STM32.2 STM32.3 STM32.6 STM32.7 STM32.8 STM32.9 STM32.12 STM32.13 STM32.14 STM32.15 STM32.26 STM32.32 STM32.40 STM32.45 STM32.46 STM32.49 STM32.50 STM32.53 STM32.56 STM32.57 STM32.63 STM32.65 STM32.73 STM32.74 STM32.78 STM32.79 STM32.80 STM32.85 STM32.86 STM32.87 STM32.88 STM32.89 STM32.90 STM32.105 STM32.109 STM32.113 STM32.116 STM32.117 STM32.118 STM32.119 STM32.133 STM32.134 STM32.139 STM32.140 STM32.143 U1.2 U1.6 U1.7 U1.14 U1.16 UART_3V3_2.7 UART_3V3_2.8 UART_5V_2.7 UART_5V_2.8 UART_RC_RECEIVER.7 UART_RC_RECEIVER.8 USB-NUC.1 USB-NUC.4 uSD_slot.

## Silkscreen, mask and mechanical layers (free items; w line width, h text height)
Top Overlay:
  circle w0.2: c-3.5,3.5 r3.4
  circle w0.2: c58.5,3.5 r3.4
  circle w0.2: c58.5,-58.5 r3.4
  circle w0.2: c-3.5,-58.5 r3.4

## Text inside footprints (layer, text, board x,y; h text height)
DISPLAY: Top Overlay "GND" at 34.6,-9.1 h1.52 r270; Top Overlay "VDD" at 37.1,-8.9 h1.52 r270; Top Overlay "SCK" at 39.6,-9.1 h1.52 r270; Top Overlay "SDA" at 42.4,-9 h1.52 r270
ESP32: Bottom Overlay "Antena" at 0.8,-48.3 h1.52 r180
IMU: Bottom Overlay "Pololu  / MinIMU-9  / v5 9DOF" at -0.3,-6.15 h1.02 r180; Bottom Overlay "SCL" at 1.783,-2.162 h0.76 r90; Bottom Overlay "SDA" at 4.323,-2.162 h0.76 r90; Bottom Overlay "GND" at 8.133,-2.162 h0.76 r90; Bottom Overlay "VIN" at 9.403,-2.162 h0.76 r90; Bottom Overlay "VDD" at 11.943,-2.162 h0.76 r90; Bottom Overlay "SA0" at 6.863,-4.702 h0.76 r90
uSD_slot: Bottom Overlay "uSD" at 30.05,-50.75 h1.52